# Allegro board IMX7D EVK BOARD REV D_160314.brd (continued)
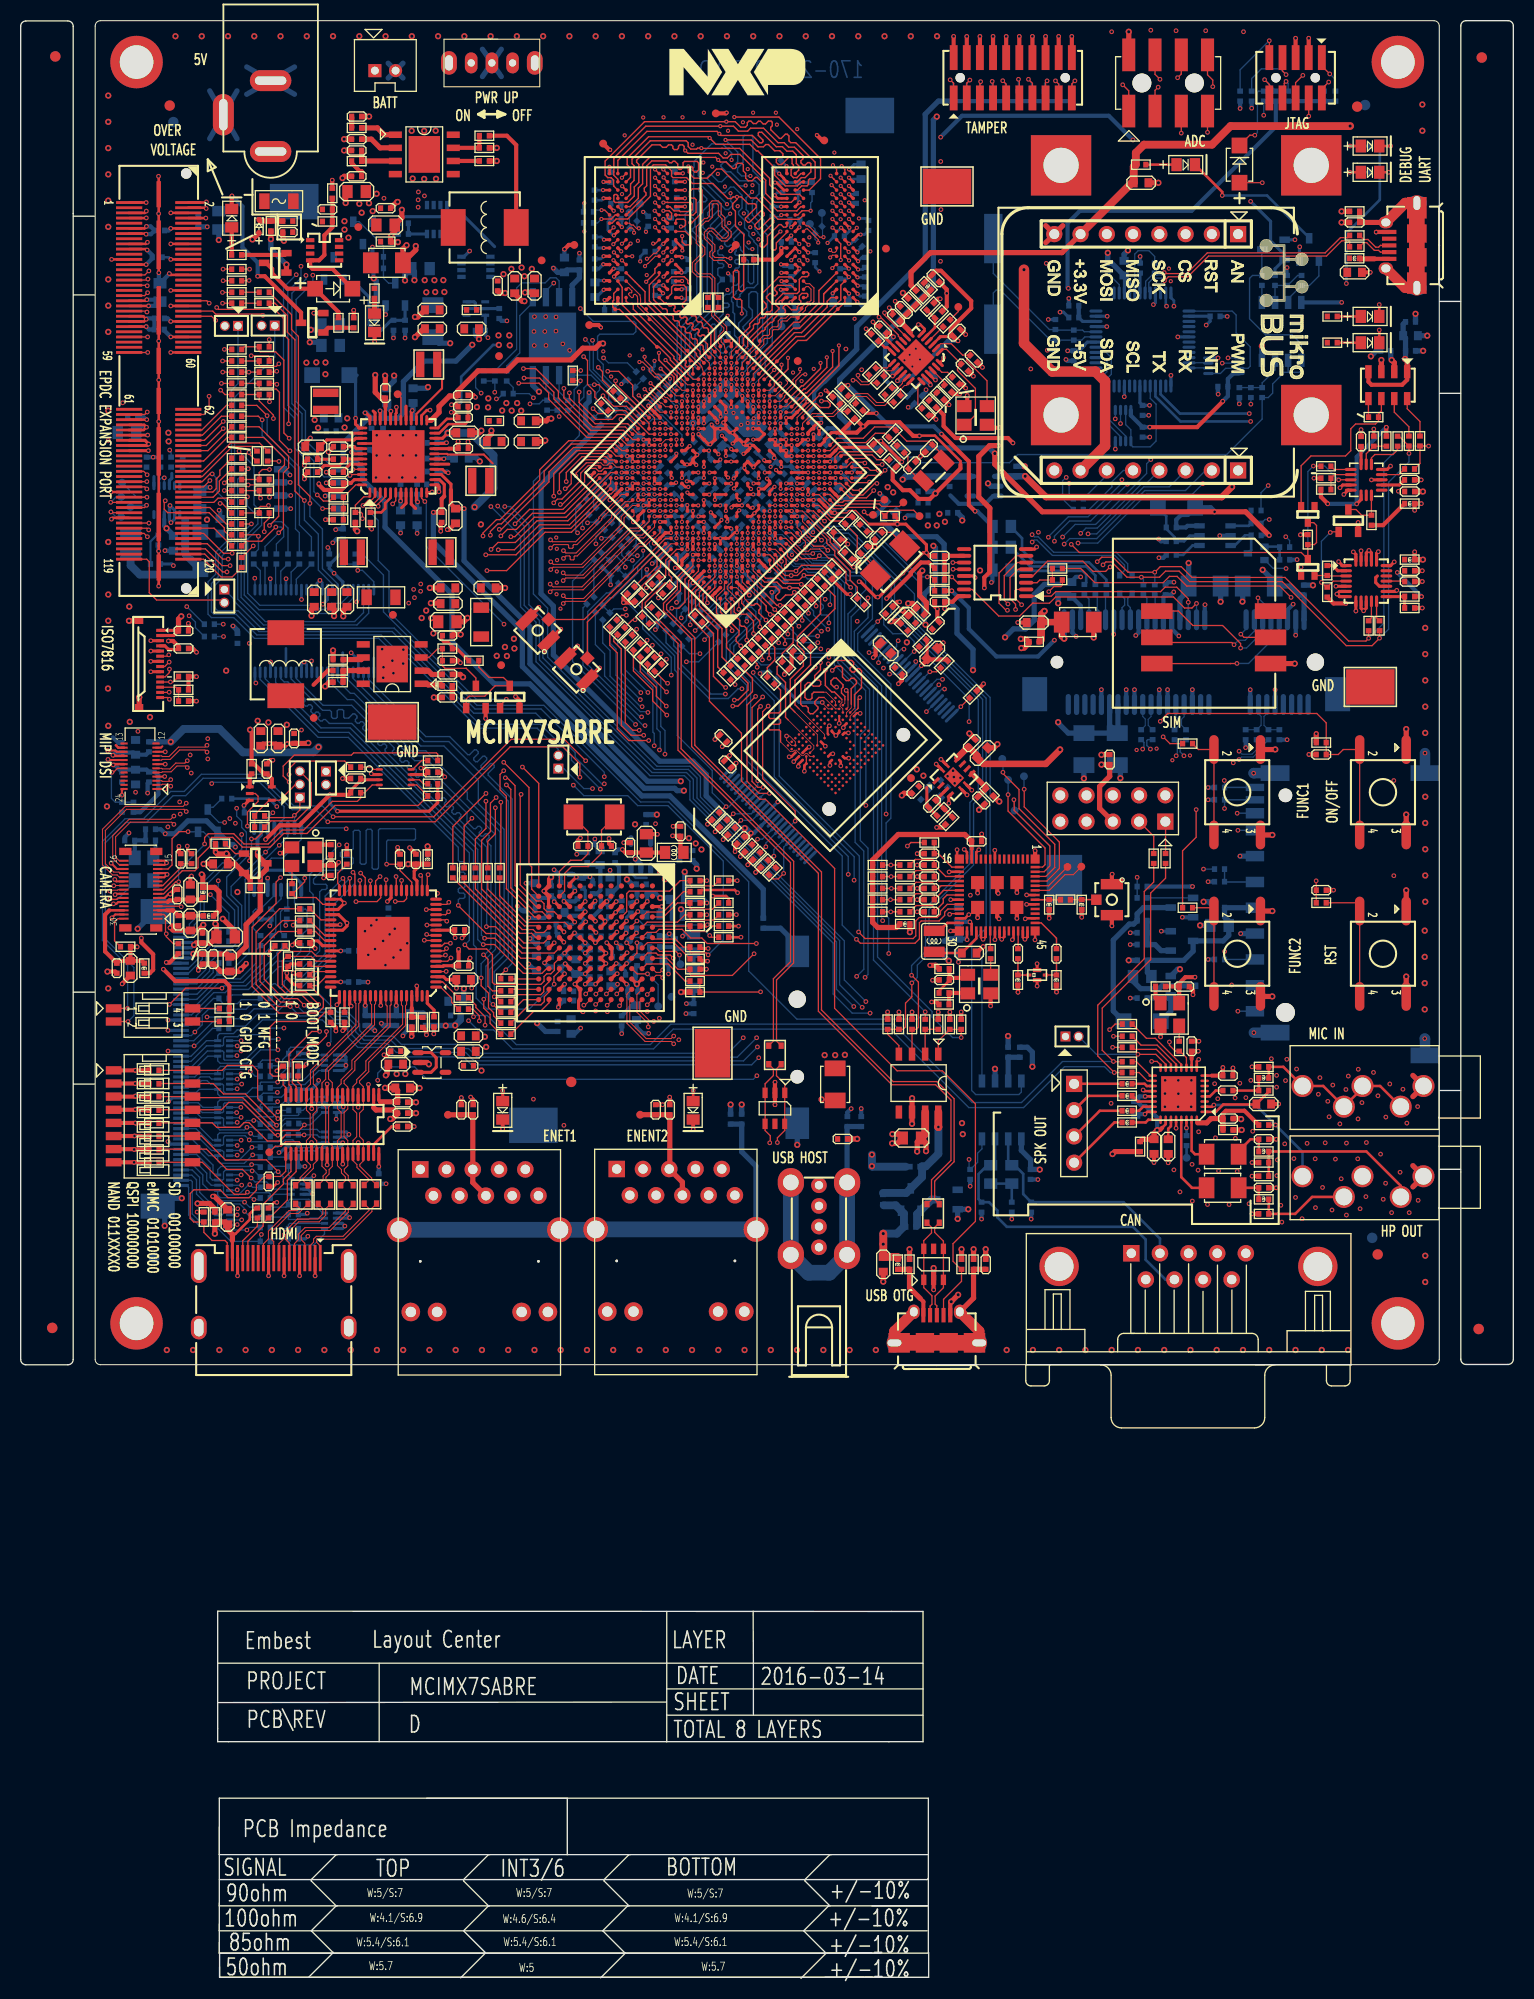
[diagram p0: board, top side]
## Nets (continued)
GPIO_EPDC_D3: R391.1 R394.1 U7.N21(EPDC_D03)
GPIO_EPDC_D4: C366.1 R396.1 TP10.1(PIN1) U7.N22(EPDC_D04)
GPIO_EPDC_D5: R299.1 R397.1 U7.M20(EPDC_D05)
GPIO_EPDC_D6: R300.1 R399.1 U7.M21(EPDC_D06)
GPIO_EPDC_D7: R398.1 U7.M22(EPDC_D07)
GPIO_EPDC_D8: R420.1 R424.1 U7.M23(EPDC_D08)
GPIO_EPDC_D9: R421.1 R425.1 U7.L25(EPDC_D09)
GPIO_EPDC_D10: R423.1 R427.1 U7.L24(EPDC_D10)
GPIO_EPDC_D11: R422.1 R426.1 U7.L23(EPDC_D11)
GPIO_EPDC_D12: R428.1 R432.1 U7.L22(EPDC_D12)
GPIO_EPDC_D13: R429.1 R433.1 U7.L21(EPDC_D13)
GPIO_EPDC_D14: R431.1 R435.1 U7.L20(EPDC_D14)
GPIO_EPDC_D15: R430.1 R434.1 U7.K25(EPDC_D15)
GPIO_EPDC_GDCLK: R408.1 U7.J25(EPDC_GDCLK) U36.43(1A3)
GPIO_EPDC_GDOE: R409.1 U7.J24(EPDC_GDOE) U36.44(1A2)
GPIO_EPDC_GDRL: R411.1 U7.K21(EPDC_GDRL) U36.46(1A1)
GPIO_EPDC_GDSP: R410.1 U7.H25(EPDC_GDSP) U36.47(1A0)
GPIO_EPDC_PMIC_PG: R583.1 U7.K20(EPDC_PWRSTAT)
GPIO_EPDC_PWRCTRL0: R582.1 U7.H24(EPDC_PWRCOM)
GPIO_EPDC_SDCE0: R345.1 R404.1 U7.G25(EPDC_SDCE0)
GPIO_EPDC_SDCE1: R346.1 R405.1 U7.G24(EPDC_SDCE1)
GPIO_EPDC_SDCE2: R407.1 U7.H23(EPDC_SDCE2) U36.40(1A5)
GPIO_EPDC_SDCE3: R406.1 U7.H22(EPDC_SDCE3) U36.41(1A4)
GPIO_EPDC_SDCLK: R400.1 R461.1 U7.J21(EPDC_SDCLK)
GPIO_EPDC_SDLE: R401.1 R460.1 U7.J20(EPDC_SDLE)
GPIO_EPDC_SDOE: R403.1 R463.1 U7.H21(EPDC_SDOE)
GPIO_EPDC_SDSHR: R402.1 R462.1 U7.H20(EPDC_SDSHR)
GPIO_SAI1_RXD: J39.1(E1) R468.1 R473.1 U7.E12(SAI1_RXD)
GPIO_SAI1_TXC: J38.1(E1) R469.1 R474.1 U7.C11(SAI1_TXC)
GPIO_SAI1_TXD: J36.1(E1) R471.1 R475.1 U7.E11(SAI1_TXD)
GPIO_SAI1_TXFS: J37.1(E1) R342.1 R470.1 U7.D11(SAI1_TXFS)
GPIO_SAI2_RXD: R415.1 R419.1 U7.E9(SAI2_RXD)
GPIO_SAI2_TXC: R413.1 R417.1 U7.D8(SAI2_TXC)
GPIO_SAI2_TXD: R488.1 U7.E8(SAI2_TXD)
GPIO_SAI2_TXFS: R412.1 R416.1 U7.D9(SAI2_TXFS)
GPIO_SD3_CLK: R444.1 R456.1 U7.C1(SD3_CLK)
GPIO_SD3_CMD: R445.1 R457.1 U7.E1(SD3_CMD)
GPIO_SD3_DATA0: R436.1 R448.1 U7.B2(SD3_DATA0)
GPIO_SD3_DATA1: R437.1 R449.1 U7.A2(SD3_DATA1)
GPIO_SD3_DATA2: R439.1 R451.1 U7.G2(SD3_DATA2)
GPIO_SD3_DATA3: R438.1 R450.1 U7.F1(SD3_DATA3)
GPIO_SD3_DATA4: R440.1 R452.1 U7.F2(SD3_DATA4)
GPIO_SD3_DATA5: R441.1 R453.1 U7.E2(SD3_DATA5)
GPIO_SD3_DATA6: R443.1 R455.1 U7.C2(SD3_DATA6)
GPIO_SD3_DATA7: R442.1 R454.1 U7.B1(SD3_DATA7)
GPIO_SD3_RESET_B: R446.1 R458.1 U7.G1(S\D\3\_\R\E\S\E\T\)
GPIO_SD3_STROBE: R447.1 R459.1 U7.J1(SD3_STROBE)
GTXCLK_P0: R527.2 U31.M1(GTXCLK_P0)
GWDOG_RST_B: C382.1 U7.N1(GPIO1_IO00)
GY_INT_B: D14.2(NODE2) R301.1 U20.3(INT1)
GYR_I2C_SCL: R499.2 U20.11(SCL/SCLK)
GYR_I2C_SDA: R500.2 U20.12(SDA/MOSI)
GYRO_3V3: C246.1 L20.2 R175.1 R331.2 U20.15(VDD) U20.17(SPI_CS_B) U20.18(VDDIO)
HDMI_5V: C226.1 C229.2 J9.18 R144.1 R145.1 R147.1 U15.38(5V_OUT)
HDMI_AVCC12: C222.1 C223.1 C224.1 L13.1 U13.60(AVCC12#60) U13.66(AVCC12#66)
HDMI_BYP: C230.2 U15.37(ESD_BYP)
HDMI_CEC_D_R: R132.2 U13.50(CEC_D)
HDMI_CLKM: L62.2 U13.58(TXC-) U15.15(TMDS_CK-_15) U15.24(TMDS_CK-_24)
HDMI_CLKM_X: J9.12 L62.3
HDMI_CLKP: L62.1 U13.59(TXC+) U15.13(TMDS_CK+_13) U15.26(TMDS_CK+_26)
HDMI_CLKP_X: J9.10 L62.4
HDMI_CVCC12: C209.1 C210.1 C211.1 C212.1 C213.1 C214.1 L11.1 U13.5(CVCC12#5) U13.12(CVCC12#12) U13.26(CVCC12#26) U13.42(CVCC12#42) U13.47(CVCC12#47) U13.53(CVCC12#53)
HDMI_D0M: L61.2 U13.61(TX0-) U15.12(TMDS_D0-_12) U15.27(TMDS_D0-_27)
HDMI_D0M_X: J9.9 L61.3
HDMI_D0P: L61.1 U13.62(TX0+) U15.10(TMDS_D0+_10) U15.29(TMDS_D0+_29)
HDMI_D0P_X: J9.7 L61.4
HDMI_D1M: L60.2 U13.64(TX1-) U15.9(TMDS_D1-_9) U15.30(TMDS_D1-_30)
HDMI_D1M_X: J9.6 L60.3
HDMI_D1P: L60.1 U13.65(TX1+) U15.7(TMDS_D1+_7) U15.32(TMDS_D1+_32)
HDMI_D1P_X: J9.4 L60.4
HDMI_D2M: L59.2 U13.67(TX2-) U15.6(TMDS_D2-_6) U15.33(TMDS_D2-_33)
HDMI_D2M_X: J9.3 L59.3
HDMI_D2P: L59.1 U13.68(TX2+) U15.4(TMDS_D2+_4) U15.35(TMDS_D2+_35)
HDMI_D2P_X: J9.1 L59.4
HDMI_DE: R177.2 U13.33(DE)
HDMI_EXTSWING: R133.1 U13.56(EXT_SWING)
HDMI_HPD_CON: C365.2 J9.19 R146.1 U15.20(HOTPLUG_DET_OUT)
HDMI_HPLG: R135.1 R142.2 U13.54(HPD) U15.19(HOTPLUG_DET_IN)
HDMI_HSYNC: R178.2 U13.34(HSYNC)
HDMI_I2C_SCL: R514.2 U13.1(CSCL)
HDMI_I2C_SDA: R507.2 U13.2(CSDA)
HDMI_I2CSCL: R580.2 U13.49(DSCL) U15.17(DDC_CLK_IN)
HDMI_I2CSDA: R581.2 U13.48(DSDA) U15.18(DDC_DAT_IN)
HDMI_INT_B: R139.1 R429.2 U13.52(INT)
HDMI_IO_SEL: R134.1 R136.2 U13.69(IO_SEL)
HDMI_IOVCC: C216.1 C217.1 C218.1 L12.1 U13.3(IOVCC#3) U13.21(IOVCC#21) U13.46(IOVCC#46)
HDMI_PCLK: C406.2 R137.2 U13.22(IDCK)
HDMI_RST_B: R138.2 U13.51(RESETN) U38.2(Q2)
HDMI_SAI3_MCLK: R111.2 R476.2 U13.38(MCLK)
HDMI_SAI3_TXC: R481.2 U13.45(SCK)
HDMI_SAI3_TXD: R482.2 U13.41(SD0)
HDMI_SAI3_TXFS: R484.2 U13.44(WS)
HDMI_V12: C215.1 C221.1 C225.1 L11.2 L13.2 U14.5(OUT)
HDMI_VSYNC: R179.2 U13.35(VSYNC)
HP_DETEC: J15.5 R366.1 U24.2(LINPUT3/JD2)
HP_L: C274.1 U24.31(HP_L)
HP_R: C275.1 U24.29(HP_R)
HPOUTL: C274.2 C369.1 L25.1
HPOUTR: C275.2 C370.1 L26.1
HSIC_DATA: J4.1(CENTER) U7.A12(USB_H_DATA)
HSIC_STROBE: J5.1(CENTER) U7.B12(USB_H_STROBE)
I2C1_SCL: R59.2 U4.46(SCL) U7.J2(I2C1_SCL) U41.6(SCL)
I2C1_SDA: R60.2 U4.45(SDA) U7.K1(I2C1_SDA) U41.5(SDA)
I2C2_SCL: R61.2 R499.1 R501.1 R505.1 R506.1 U7.K2(I2C2_SCL)
I2C2_SDA: R62.2 R500.1 R502.1 R503.1 R504.1 U7.K3(I2C2_SDA)
I2C3_SCL: R63.2 R508.1 R512.1 R514.1 R524.1 U7.K5(I2C3_SCL)
I2C3_SDA: R64.2 R507.1 R509.1 R510.1 R523.1 U7.K6(I2C3_SDA)
I2C4_SCL: R33.2 R337.1 R515.1 R516.1 R518.1 R595.1 U7.C12(SAI1_RXFS)
I2C4_SDA: R34.2 R338.1 R519.1 R520.1 R521.1 R596.1 U7.D12(SAI1_RXC)
IC_VSEL: J18.12(IC_VSEL) R489.2 R490.1
IOX_SDI: U7.R2(GPIO1_IO09) U38.14(DS)
IOX_SHCP: U7.T3(GPIO1_IO13) U38.11(SHCP)
IOX_STCP: U7.T2(GPIO1_IO12) U38.12(STCP)
IPOD_RST_B: J20.8 R496.1
JT_PWR: J12.1(VCC) R171.1
JTAG_MOD: R174.1 R387.2 U7.U1(JTAG_MOD)
JTAG_TCK: J12.4(TCK) U7.U5(JTAG_TCK)
JTAG_TDI: J12.8(NC/TDI) R169.2 U7.U3(JTAG_TDI)
JTAG_TDO: J12.6(TDO) U7.U6(JTAG_TDO)
JTAG_TMS: J12.2(TMS) R170.2 U7.U4(JTAG_TMS)
JTAG_TRST_B: R172.2 U7.U2(J\T\A\G\_\T\R\S\T\)
LCD1_CLK: J14.32(CLK) R137.1 R176.2
LCD1_DATA0: J14.1(B0) R196.2 RN13.1 U7.D21(LCD1_DATA00)
LCD1_DATA1: J14.2(B1) R195.2 RN13.3 U7.A22(LCD1_DATA01)
LCD1_DATA2: J14.3(B2) R199.2 RN13.5 U7.B22(LCD1_DATA02)
LCD1_DATA3: J14.4(B3) R197.2 RN13.7 U7.A23(LCD1_DATA03)
LCD1_DATA4: J14.5(B4) R204.2 RN15.1 U7.C22(LCD1_DATA04)
LCD1_DATA5: J14.6(B5) R203.2 RN15.3 U7.B23(LCD1_DATA05)
LCD1_DATA6: J14.7(B6) R206.2 RN15.5 U7.A24(LCD1_DATA06)
LCD1_DATA7: J14.8(B7) R205.2 RN15.7 U7.F20(LCD1_DATA07)
LCD1_DATA8: J14.10(G0) R208.2 RN14.1 U7.E21(LCD1_DATA08)
LCD1_DATA9: J14.11(G1) R207.2 RN14.3 U7.C23(LCD1_DATA09)
LCD1_DATA10: J14.12(G2) R210.2 RN14.5 U7.B24(LCD1_DATA10)
LCD1_DATA11: J14.13(G3) R209.2 RN14.7 U7.G20(LCD1_DATA11)
LCD1_DATA12: J14.14(G4) R211.2 RN16.1 U7.F21(LCD1_DATA12)
LCD1_DATA13: J14.15(G5) R213.2 RN16.3 U7.E22(LCD1_DATA13)
LCD1_DATA14: J14.16(G6) R212.2 RN16.5 U7.D23(LCD1_DATA14)
LCD1_DATA15: J14.17(G7) R214.2 RN16.7 U7.C24(LCD1_DATA15)
LCD1_DATA16: J14.19(R0) R215.2 RN17.1 U7.B25(LCD1_DATA16)
LCD1_DATA17: J14.20(R1) R217.2 RN17.3 U7.G21(LCD1_DATA17)
LCD1_DATA18: J14.21(R2) R216.2 RN17.5 U7.E23(LCD1_DATA18)
LCD1_DATA19: J14.22(R3) R218.2 RN17.7 U7.D24(LCD1_DATA19)
LCD1_DATA20: J14.23(R4) RN18.1 U7.C25(LCD1_DATA20)
LCD1_DATA21: J14.24(R5) RN18.3 U7.E24(LCD1_DATA21)
LCD1_DATA22: J14.25(R6) RN18.5 U7.D25(LCD1_DATA22)
LCD1_DATA23: J14.26(R7) RN18.7 U7.G23(LCD1_DATA23)
LCD1_ENABLE: J14.28(DEN) R177.1 U7.F25(LCD1_ENABLE)
LCD1_HSYNC: J14.29(HSYNC) R178.1 U7.E25(LCD1_HSYNC)
LCD1_PWM: J14.50(PWREN) U7.N2(GPIO1_IO01)
LCD1_RESET: J14.49(RESET) U7.C21(LCD1_RESET)
LCD1_TP_REF: C266.1 U23.9(VREF)
LCD1_VSYNC: J14.30(VSYNC) R179.1 U7.F24(LCD1_VSYNC)
LCD_3V3: C263.1 C264.1 C265.1 J14.45(VDD1) J14.46(VDD2) Q13.3(DRAIN) R355.1 U23.1(VCC) U23.7(VBAT) U23.10(IOVDD)
LCD_B0: RN13.2 U13.32(VDATA_IN0)
LCD_B1: RN13.4 U13.31(VDATA_IN1)
LCD_B2: RN13.6 U13.30(VDATA_IN2)
LCD_B3: RN13.8 U13.29(VDATA_IN3)
LCD_B4: RN15.2 U13.28(VDATA_IN4)
LCD_B5: RN15.4 U13.27(VDATA_IN5)
LCD_B6: RN15.6 U13.25(VDATA_IN6)
LCD_B7: RN15.8 U13.24(VDATA_IN7)
LCD_G0: RN14.2 U13.23(VDATA_IN8)
LCD_G1: RN14.4 U13.20(VDATA_IN9)
LCD_G2: RN14.6 U13.19(VDATA_IN10)
LCD_G3: RN14.8 U13.18(VDATA_IN11)
LCD_G4: RN16.2 U13.17(VDATA_IN12)
LCD_G5: RN16.4 U13.16(VDATA_IN13)
LCD_G6: RN16.6 U13.15(VDATA_IN14)
LCD_G7: RN16.8 U13.14(VDATA_IN15)
LCD_I2C_SCL: J14.42(IIC_CLK) R508.2
LCD_I2C_SDA: J14.43(IIC_DAT) R509.2
LCD_PWR_EN: Q13.1(GATE) R354.2 U38.7(Q7)
LCD_R0: RN17.2 U13.13(VDATA_IN16)
LCD_R1: RN17.4 U13.11(VDATA_IN17)
LCD_R2: RN17.6 U13.10(VDATA_IN18)
LCD_R3: RN17.8 U13.9(VDATA_IN19)
LCD_R4: RN18.2 U13.8(VDATA_IN20)
LCD_R5: RN18.4 U13.7(VDATA_IN21)
LCD_R6: RN18.6 U13.6(VDATA_IN22)
LCD_R7: RN18.8 U13.4(VDATA_IN23)
LD_WLAN_B: D6.2(CATHODE) R128.2
LD_WPAN_B: D7.2(CATHODE) R129.2
LD_WWAN_B: D5.2(CATHODE) R127.2
LDO_VDD1P5: C235.1 L18.2 U16.33(LDO_VDD1P5)
LED_WLAN_B: J8.44(LED_WLAN#) R128.1
LED_WPAN_B: J8.46(LED_WPAN#) R129.1
LED_WWAN_B: J8.42(LED_WWAN#) R127.1
LEDA: C454.1 C455.1 D25.2(C) J30.13(LEDA1) J30.14(LEDA2) R624.2
LEDK: J30.11(LEDK1) J30.12(LEDK2) R626.2 U43.10(FB)
LICELL: C30.1 R19.2 U4.36(LICELL)
LOCK_REC_CLK1: R278.1 TP34.1(PIN1) U31.C7(LOCK_REC_CLK1)
LPO: R492.1 U16.36(LPO)
MAIN_PWR: C13.1 C14.1 C16.1 L2.2 Q34.5(D1) Q34.6(D2) Q34.7(D3) Q34.8(D4) Q35.1(E1) R14.1 R613.1 TP3.1(PIN1)
MAIN_PWR_EN: C396.1 Q10.1(GATE) Q31.1(GATE) R543.2 R547.1
MAIN_PWR_EN_B: Q21.1(GATE) Q31.3(DRAIN) R611.1 R612.2
MEM_3V3: C181.1 C182.1 C183.1 C189.1 C190.1 C192.1 C193.1 C194.1 C374.1 C377.1 Q6.2(SOURCE) R92.1 R97.1 R98.1 R102.2 R104.1 R105.1 R323.1 R333.1 R334.1 R335.1 R336.1 R340.2 R479.2 TP49.1(PIN1) U10.E6(VCC#E6) U10.F5(VCC#F5) U10.J10(VCC#J10) U10.K9(VCC#K9) U11.8(VCC) U12.12(VCC#12) U12.37(VCC#37) U35.1(OUT)
MEM_3V3_EN: C379.1 R327.2 U35.5(EN)
MEM_3V3_FB: C377.2 R323.2 R324.1 U35.3(NR/FB)
MFI_I2C_SCL: J20.1 R518.2
MFI_I2C_SDA: J20.3 R519.2
MIC: C277.2 L29.1 R182.2
MIC_IN: C277.1 U24.4(LINPUT1)
MIC_RAW: J16.2 J16.3 J16.4 J16.5 L29.2 TVS4.2(A2)
MICBIAS: C272.1 R182.1 U24.1(MICBIAS)
MIPI_CSI_CLK_N: J29.20(MCN) U7.A15(MIPI_CSI_CLK_N)
MIPI_CSI_CLK_P: J29.19(MCP) U7.B15(MIPI_CSI_CLK_P)
MIPI_CSI_D0_N: J29.23(MDN1) U7.A16(MIPI_CSI_D0_N)
MIPI_CSI_D0_P: J29.22(MDP1) U7.B16(MIPI_CSI_D0_P)
MIPI_CSI_D1_N: J29.17(MDN2) U7.A14(MIPI_CSI_D1_N)
MIPI_CSI_D1_P: J29.16(MDP2) U7.B14(MIPI_CSI_D1_P)
MIPI_DSI_CLK_N: J30.5(CN) U7.A19(MIPI_DSI_CLK_N)
MIPI_DSI_CLK_P: J30.6(CP) U7.B19(MIPI_DSI_CLK_P)
MIPI_DSI_D0_N: J30.2(D0N) U7.A20(MIPI_DSI_D0_N)
MIPI_DSI_D0_P: J30.3(D0P) U7.B20(MIPI_DSI_D0_P)
MIPI_DSI_D1_N: J30.8(D1N) U7.A18(MIPI_DSI_D1_N)
MIPI_DSI_D1_P: J30.9(D1P) U7.B18(MIPI_DSI_D1_P)
MIPI_VREG_0P4V: C92.1 U7.H18(MIPI_VREG_0P4V)
MK_ADC_IN0: R549.1 R550.2 R557.1 U40.3(+INA)
MKBUS_ADC1_IN0: D22.3 R554.2 R557.2 U7.AD1(ADC1_IN0) U40.1(OUTA) U40.2(-INA)
MKBUS_ADC_IN: J32.1 R550.1
MKBUS_ESPI3_MISO: J32.5 R412.2
MKBUS_ESPI3_MOSI: J32.6 R413.2
MKBUS_ESPI3_SCLK: J32.4 R415.2
MKBUS_ESPI3_SS0_B: J32.3 R488.2
MKBUS_I2C_SCL: J33.5 R524.2
MKBUS_I2C_SDA: J33.6 R523.2
MKBUS_INT: J33.2 R470.2
MKBUS_PWM2: J33.1 TP12.1(PIN1) U7.N3(GPIO1_IO02)
MKBUS_RST: J32.2 R497.1
MKBUS_UART5_RXD: J33.3 R468.2
MKBUS_UART5_TXD: J33.4 R469.2
MPCIE_1V5: C205.1 C206.1 J8.6(1.5 V#6) J8.28(1.5 V#28) J8.48(1.5 V#48) R119.2
MPCIE_3V3: C198.1 C199.1 C200.1 C201.1 C202.1 C203.1 C204.1 D5.1(ANODE) D6.1(ANODE) D7.1(ANODE) J8.2(3.3VAUX#2) J8.24(3.3VAUX#24) J8.39(3.3VAUX#39) J8.41(3.3VAUX#41) J8.52(3.3VAUX#52) R120.1 R605.2 R607.2
MX7_ONOFF: C367.1 R249.2 S2.2 S2.4 U7.AC8(ONOFF)
MX7_RST_B: C368.1 D15.2(NODE2) R347.2
NAND_ALE: R457.2 U12.17(ALE)
NAND_CE0_B: R334.2 R474.2 U12.9(CE_B)
NAND_CE1_B: R333.2 R473.2 U12.10(CE1_B)
NAND_CE2_B: R335.2 R337.2 U12.14(NC7)
NAND_CE3_B: R336.2 R338.2 U12.15(NC8)
NAND_CLE: R456.2 U12.16(CLE)
NAND_D0: R448.2 U12.29(DQ0)
NAND_D1: R449.2 U12.30(DQ1)
NAND_D2: R451.2 U12.31(DQ2)
NAND_D3: R450.2 U12.32(DQ3)
NAND_D4: R452.2 U12.41(DQ4)
NAND_D5: R453.2 U12.42(DQ5)
NAND_D6: R455.2 U12.43(DQ6)
NAND_D7: R454.2 U12.44(DQ7)
NAND_DQS: R342.2 U12.35(DQS/N/A)
NAND_RE_B: R459.2 U12.8(W/R_B/RE_B)
NAND_READY_B: R98.2 R339.1 R475.2 U12.7(R/B_B)
NAND_WE_B: R458.2 U12.18(CLK/WE_B)
NAND_WP_B: R97.2 R112.2 U12.19(WP_B)
NVCC_1V8: C124.1 C254.1 J13.1 J13.17 J13.19 J13.25 L15.1 R27.1 R326.1 R329.2 U7.L9(NVCC_SPI)
NVCC_3V3: C48.1 C101.1 C109.1 C112.1 C113.1 C114.1 C117.1 C118.1 C122.1 C127.1 C219.1 C220.1 C231.1 C241.1 C245.1 C255.1 C256.1 C385.1 C388.1 C389.1 C405.1 C408.1 C460.1 J13.5 J13.45 J13.47 J13.49 L12.2 Q25.1(GATE) R33.1 R34.1 R46.2 R59.1 R60.1 R61.1 R62.1 R63.1 R64.1 R132.1 R134.2 R139.2 R142.1 R143.1 R183.1 R184.1 R185.1 R186.1 R187.1 R188.1 R189.1 R190.1 R191.1 R192.1 R193.1 R194.1 R252.1 R253.1 R255.2 R257.2 R313.1 R314.1 R315.1 R316.1 R317.1 R318.1 R319.1 R320.1 R327.1 R353.2 R472.1 R477.1 R580.1 R581.1 R637.1 SW2.1 SW2.2 SW2.3 SW2.4 SW2.5 SW2.6 SW2.7 SW2.8 U4.32(V33) U4.47(VDDIO) U7.F9(VDD_USB_OTG2_3P3_IN) U7.F10(VDD_USB_OTG1_3P3_IN) U7.F12(NVCC_SAI) U7.H16(NVCC_ENET1) U7.K18(NVCC_LCD) U7.L17(NVCC_EPDC2) U7.M8(NVCC_I2C) U7.M18(NVCC_EPDC1) U7.N9(NVCC_UART) U14.1(IN) U14.3(EN) U15.2(LV_SUPPLY) U17.8(VCC) U19.8(VCC) U38.16(VCC) U41.8(VCC) U45.7(VCCB) X2.4(VCC) X3.4(VCC)
NVCC_DRAM: C24.1 C142.1 C143.1 C144.1 C145.1 C146.1 C147.1 C148.1 C149.1 C150.1 C151.1 C152.1 C153.1 C154.1 C155.1 C156.1 C157.1 C158.1 C159.1 C160.1 C161.1 C162.1 C163.1 C164.1 C165.1 C166.1 C167.1 C168.1 C169.1 C170.1 C171.1 C172.1 C173.1 C174.1 C175.1 C176.1 C177.1 C178.1 C179.1 C180.1 R23.1 R85.2 TP19.1(PIN1) TP20.1(PIN1) U4.24(VINREFDDR) U7.AA16(NVCC_DRAM_06) U7.AA17(NVCC_DRAM_07) U7.AA18(NVCC_DRAM_08) U7.AA19(NVCC_DRAM_09) U7.AA20(NVCC_DRAM_10) U7.AA21(NVCC_DRAM_11) U7.T21(NVCC_DRAM_01) U7.U21(NVCC_DRAM_02) U7.V21(NVCC_DRAM_03) U7.W21(NVCC_DRAM_04) U7.Y21(NVCC_DRAM_05) U8.A1(VDDQ1) U8.A8(VDDQ2) U8.B2(VDD1) U8.C1(VDDQ3) U8.C9(VDDQ4) U8.D2(VDDQ5) U8.D9(VDD2) U8.E9(VDDQ6) U8.F1(VDDQ7) U8.G7(VDD3) U8.H2(VDDQ8) U8.H9(VDDQ9) U8.K2(VDD4) U8.K8(VDD5) U8.N1(VDD6) U8.N9(VDD7) U8.R1(VDD8) U8.R9(VDD9) U9.A1(VDDQ1) U9.A8(VDDQ2) U9.B2(VDD1) U9.C1(VDDQ3) U9.C9(VDDQ4) U9.D2(VDDQ5) U9.D9(VDD2) U9.E9(VDDQ6) U9.F1(VDDQ7) U9.G7(VDD3) U9.H2(VDDQ8) U9.H9(VDDQ9) U9.K2(VDD4) U9.K8(VDD5) U9.N1(VDD6) U9.N9(VDD7) U9.R1(VDD8) U9.R9(VDD9)
NVCC_DRAM_CKE: C140.1 R85.1 U7.Y20(NVCC_DRAM_CKE)
NVCC_SD1: C49.1 C104.1 R99.1 R100.1 R101.1 R491.2 U4.33(VCC_SD) U7.E7(NVCC_SD1)
NVCC_SD2: C108.1 R325.1 U7.H8(NVCC_SD2)
NVCC_SD3: C110.1 C184.1 C185.1 C186.1 C187.1 C188.1 R45.1 R46.1 R93.1 R94.1 U7.K8(NVCC_SD3) U10.C6(VCCQ#C6) U10.M4(VCCQ#M4) U10.N4(VCCQ#N4) U10.P3(VCCQ#P3) U10.P5(VCCQ#P5)
OTG_VBUS: C298.1 L39.2 Q24.2(SOURCE) R570.1 R571.1
OUT3: C276.1 U24.30(OUT3)
OVRPRTC: Q5.1(GATE) R6.2 R8.1
OVRPRTC_LED: D2.2(CATHODE) Q5.3(DRAIN)
OVRPRTC_LED_PWR: D2.1(ANODE) R4.2
PCI3_UIM_CLK: J7.3(SIMCLK) J8.12(UIM_CLK)
PCIE_CLK_GEN_SCL: R595.2 U42.8(SCLK_3.3)
PCIE_CLK_GEN_SDA: R596.2 U42.9(SDATA_3.3)
PCIE_CRXP: J8.25(PERP0) R125.2
PCIE_CTXM: C207.2 J8.31(PETN0)
PCIE_CTXP: C208.2 J8.33(PETP0)
PCIE_DIS_B: J8.20(W_DISABLE#) U38.15(Q0)
PCIE_REFCLK_N: R607.1 R608.2 R633.1 U7.AE10(PCIE_REFCLKIN_N)
PCIE_REFCLK_P: R605.1 R606.2 R632.1 U7.AD10(PCIE_REFCLKIN_P)
PCIE_REFCLKOUT_N: C459.1 R598.2 U7.AC10(PCIE_REFCLKOUT_N)
PCIE_REFCLKOUT_N0: C459.2 J8.11(REFCLK-) R634.1
PCIE_REFCLKOUT_P: C458.1 R597.2 U7.AB10(PCIE_REFCLKOUT_P)
PCIE_REFCLKOUT_P0: C458.2 J8.13(REFCLK+) R635.1
PCIE_RST_B: J8.22(PERST#) U38.1(Q1)
PCIE_RX_N: R124.1 U7.AE11(PCIE_RX_N)
PCIE_RX_P: R125.1 U7.AD11(PCIE_RX_P)
PCIE_SMB_CLK: J8.30(SMB_CLK) R506.2
PCIE_SMB_DATA: J8.32(SMB_DATA) R504.2
PCIE_TX_N: C207.1 U7.AC11(PCIE_TX_N)
PCIE_TX_P: C208.1 U7.AB11(PCIE_TX_P)
PCIE_UIM_DATA: J7.6(SIMI/O) J8.10(UIM_DATA)
PCIE_UIM_PWR: J7.1(SIMVDD) J8.8(UIM_PWR)
PCIE_UIM_RST: J7.2(SIMRST) J8.14(UIM_RESET)
PCIE_UIM_VPP: J7.5(VPP) J8.16(UIM_VPP)
PCIE_USB_DM: J8.36(USB_D-) L10.1
PCIE_USB_DP: J8.38(USB_D+) L10.2
PERI_3V3: C7.1 C8.1 C9.1 C267.1 C268.1 C278.1 C280.1 C284.1 C316.1 C380.1 C381.1 C386.1 C390.1 C404.1 J18.4(NVCC_SIM) J20.5 J32.7 L1.2 L20.1 L21.1 L22.1 L43.2 L66.1 Q13.2(SOURCE) R10.1 R120.2 R244.1 R312.1 R332.1 R351.1 R354.1 R355.2 R365.1 R489.1 R498.1 R548.1 R556.1 R610.2 TP2.1(PIN1) U24.8(DCVDD) U24.10(DBVDD) U25.5(VIO) U36.1(1DIR) U36.7(VCCB#7) U36.18(VCCB#18) U36.31(VCCA#31) U36.42(VCCA#42) U39.5(VCC) U40.8(V+)
PERI_3V3_CP: R12.1 U2.1(COMP)
PERI_3V3_FB: R10.2 R13.1 U2.7(FB)
PERI_3V3_LX: L1.1 U2.5(LX)
PERI_3V3_RT: R15.1 U2.6(RT)
PERI_3V3_SS: C15.1 U2.2(SS)
PERI_EN: C6.1 Q29.3(DRAIN) R9.2 U2.3(EN)
PERI_RST_B: R496.2 R497.2 U38.3(Q3)
PLLVDD_ENET: C323.1 C324.1 L45.2 U31.D9(PLLVDD)
PMIC_5V: C56.1 C57.1 D3.2(C) Q10.2(SOURCE) U4.37(SWBSTFB)
PMIC_INT_B: R27.2 U4.1(INTB) U7.H6(ECSPI2_MISO)
PMIC_ON_REQ: R281.2 U7.AB8(SNVS_PMIC_ON_REQ)
PMIC_ON_REQ_R: R280.2 R281.1 R307.1 U4.48(PWRON)
PMIC_PWR: C20.1 C21.1 C36.1 C37.1 C42.1 C43.1 C46.1 C47.1 C50.1 C51.1 C52.1 C53.1 C58.1 C257.1 C258.1 C259.1 C260.1 C375.1 C376.1 C378.1 C438.1 C439.1 J13.11 J13.13 J13.39 J13.41 J13.65 J13.67 J13.69 J13.71 L6.2 L14.1 Q32.1(S1) Q32.2(S2) Q32.3(S3) Q34.1(S1) Q34.2(S2) Q34.3(S3) Q35.4(E2) U4.7(SW1AIN) U4.10(SW1BIN) U4.13(VLDO1IN) U4.18(SW2IN) U4.21(VLDO34IN) U4.28(SW3IN) U4.38(VIN2) U4.42(VIN) U33.1(IN) U35.8(IN)
PMIC_PWRON: R307.2 R350.2
PMIC_SD_VSEL: U4.2(SD_VSEL) U7.R1(GPIO1_IO08)
PMIC_STBY_REQ: U4.4(STANDBY) U7.AC7(PMIC_STBY_REQ)
PMIC_VCORE: C61.1 U4.41(VCORE)
PMIC_VCOREREF: C60.1 U4.44(VCOREREF)
PMIC_VDDOTP: C62.1 R28.2 R282.1 U4.39(VDDOTP)
PMU_3V3_CP: R16.1 U3.1(COMP)
PMU_3V3_EN: C12.1 R11.2 U3.3(EN)
PMU_3V3_FB: R14.2 R17.1 U3.7(FB)
PMU_3V3_LX: L2.1 U3.5(LX)
PMU_3V3_RT: R18.1 U3.6(RT)
PMU_3V3_SS: C18.1 U3.2(SS)
POR_B: D26.1(A) Q30.1(GATE) R321.2 R352.2 R561.2 U4.3(RESETBMCU) U7.R6(P\O\R\)
PSU_5V0: C1.1 C2.1 C3.1 C4.1 C5.1 C10.1 C11.1 C261.1 C262.1 C387.1 C418.1 C419.1 J13.2 J13.4 J13.7 J13.8 J13.73 J13.75 J13.77 J14.47(VDD3#47) J14.48(VDD3#48) J18.1(VCC_5V#1) J18.2(VCC_5V#2) J33.7 Q2.5(D1) Q2.6(D2) Q2.7(D3) Q2.8(D4) Q21.2(SOURCE) R1.2 R9.1 R11.1 R243.1 R311.1 R543.1 R584.1 R612.1 TP1.1(PIN1) TVS1.2(A2) U2.4(VIN) U3.4(VIN)
PWR_LED: D1.1(ANODE) R1.1
PWR_OV_BASE: Q17.1(BASE) R537.2
PWR_OV_CTL: D17.2(CATHODE) R537.1 R538.2
PWR_OVP_LED: D20.1(A) Q17.3(COLLECTOR) R6.1
QSPIA_DA0: R392.2 U11.5(SI/IO0)
QSPIA_DA1: R393.2 U11.2(SO/IO1)
QSPIA_DA2: R395.2 U11.3(W\P\/IO2)
QSPIA_DA3: R394.2 U11.7(H\O\L\D\/IO3)
QSPIA_SCLK: R299.2 U11.6(SCK)
QSPIA_SS0_B: R92.2 R300.2 U11.1(C\S\)
RDAC: R274.1 U31.E9(RDAC)
REFCLKN: C350.1 U31.K1(REFCLKN) Y8.2
REFCLKP: C349.1 U31.K2(REFCLKP) Y8.1
RGMII1_LED1: J27.11(GRLA) R264.1
RGMII1_LED2: J27.13(YELC) R267.1
RGMII1_LED3: D12.1(ANODE) R266.1
RGMII1_LED_AC: R267.2 U31.B4(LED_P0_3)
RGMII1_LED_LINKSP1: R264.2 R272.1 U31.D4(LED_P0_1)
RGMII1_LED_LINKSP2: R266.2 R277.1 U31.A4(LED_P0_2)
RGMII1_RX_CTL: R533.1 U7.E15(ENET1_RX_CTL)
RGMII1_RXC: R531.1 U7.F15(ENET1_RXC)
RGMII1_RXD0: R529.1 U7.E14(ENET1_RD0)
RGMII1_RXD1: R534.1 U7.F14(ENET1_RD1)
RGMII1_RXD2: R536.1 U7.D13(ENET1_RD2)
RGMII1_RXD3: R535.1 U7.E13(ENET1_RD3)
RGMII1_TX_CTL: R532.1 U7.E16(ENET1_TX_CTL)
RGMII1_TXC: R527.1 U7.F16(ENET1_TXC)
RGMII1_TXD0: R528.1 U7.F17(ENET1_TD0)
RGMII1_TXD1: R526.1 U7.E17(ENET1_TD1)
RGMII1_TXD2: R525.1 U7.E18(ENET1_TD2)
RGMII1_TXD3: R530.1 U7.D18(ENET1_TD3)
RGMII2_LED1: J28.11(GRLA) R269.1
RGMII2_LED2: J28.13(YELC) R270.1
RGMII2_LED3: D13.1(ANODE) R268.1
RGMII2_LED_AC: R270.2 U31.C5(LED_P1_3)
RGMII2_LED_LINKSP1: R269.2 R273.1 U31.A5(LED_P1_1)
RGMII2_LED_LINKSP2: R268.2 R276.1 U31.B5(LED_P1_2)
RGMII2_RX_CTL: U31.M9(RX_DV_P1) U36.17(2B3)
RGMII2_RXC: U31.K7(RXC_P1) U36.16(2B2)
RGMII2_RXD0: U31.M8(RXD_P1_0) U36.23(2B7)
RGMII2_RXD1: U31.K8(RXD_P1_1) U36.22(2B6)
RGMII2_RXD2: U31.K9(RXD_P1_2) U36.20(2B5)
RGMII2_RXD3: U31.L9(RXD_P1_3) U36.19(2B4)
RGMII2_TX_CTL: R343.2 U31.L10(TX_EN_P1)
RGMII2_TXC: R344.2 U31.M10(GTXCLK_P1)
RGMII2_TXD0: R467.2 U31.M11(TXD_P1_0)
RGMII2_TXD1: R466.2 U31.L11(TXD_P1_1)
RGMII2_TXD2: R465.2 U31.L12(TXD_P1_2)
RGMII2_TXD3: R464.2 U31.M12(TXD_P1_3)
RTC_XO: C103.1 R285.2 Y1.2
RTC_XTALI: C102.1 R36.1 U7.AE6(RTC_XTALI) Y1.1
RTC_XTALO: R36.2 R285.1 U7.AD6(RTC_XTALO)
RX_DV_P0: R533.2 U31.M7(RX_DV_P0)
RX_LED1: D8.2(CATHODE) U18.12(ACBUS2)
RX_LED2: D10.2(CATHODE) U18.28(BCBUS2)
RXC_P0: R531.2 U31.J5(RXC_P0)
RXD_P0_0: R529.2 U31.L5(RXD_P0_0)
RXD_P0_1: R534.2 U31.M5(RXD_P0_1)
RXD_P0_2: R536.2 U31.M6(RXD_P0_2)
RXD_P0_3: R535.2 U31.L6(RXD_P0_3)
SAI1_MCLK: R110.1 R112.1 U7.E10(SAI1_MCLK)
SAVDD_ENET: C307.1 C308.1 C309.1 C310.1 C311.1 L42.2 U31.B3(SAVDD1) U31.D3(SAVDD2) U31.E4(SAVDD3) U31.H3(SAVDD4) U31.J2(SAVDD5)
SD1_CD_B: J6.10(C\D\) R101.2 U7.C6(S\D\1\_\C\D\)
SD1_CLK: R40.2 R106.1
SD1_CLK_R: C197.1 J6.5(CLK) R106.2
SD1_CMD: J6.2(CMD) R39.2 R99.2
SD1_DATA0: J6.7(DAT0) R41.2
SD1_DATA1: J6.8(DAT1) R42.2
SD1_DATA2: J6.9(DAT2) R43.2
SD1_DATA3: J6.1(DAT3) R44.2
SD1_RESET_B: R108.1 R491.1 U7.B4(S\D\1\_\R\E\S\E\T\)
SD1_WP: J6.11(W\P\) R100.2 U7.C4(SD1_WP)
SD2_CLK: R151.2 R286.2
SD2_CLK_R: C391.1 R151.1 U16.17(SDIO_CLK)
SD2_CMD: R152.2 R287.2 R375.2
SD2_CMD_R: C397.1 R375.1 U16.19(SDIO_CMD)
SD2_DA0: C401.1 R374.1 U16.20(SDIO_DATA_0)
SD2_DA1: C400.1 R373.1 U16.21(SDIO_DATA_1)
SD2_DA2: C399.1 R372.1 U16.22(SDIO_DATA_2)
SD2_DA3: C398.1 R371.1 U16.23(SDIO_DATA_3)
SD2_DATA0: R156.2 R288.2 R374.2
SD2_DATA1: R155.2 R289.2 R373.2
SD2_DATA2: R154.2 R290.2 R372.2
SD2_DATA3: R153.2 R291.2 R371.2
SD3_CLK: R95.1 R444.2
SD3_CLK_R: R95.2 U10.M6(CLK)
SD3_CMD: R94.2 R445.2 U10.M5(CMD)
SD3_DATA0: R436.2 U10.A3(DAT0)
SD3_DATA1: R437.2 U10.A4(DAT1)
SD3_DATA2: R439.2 U10.A5(DAT2)
SD3_DATA3: R438.2 U10.B2(DAT3)
SD3_DATA4: R440.2 U10.B3(DAT4)
SD3_DATA5: R441.2 U10.B4(DAT5)
SD3_DATA6: R443.2 U10.B5(DAT6)
SD3_DATA7: R442.2 U10.B6(DAT7)
SD3_RESET_B: R93.2 R446.2 U10.K5(R\E\S\E\T\)
SD3_STROBE: R96.1 R447.2
SD3_STROBE_R: R96.2 U10.H5(DS)
SENSOR_INT_B: D14.3(NODE3) D24.3(NODE3) R351.2 R471.2
SENSOR_RST_B: Q16.1(GATE) R175.2 U20.4(RST_B) U38.4(Q4)
SIM1P1_CLK: J18.8(SIM_CLK) R421.2
SIM1P1_IC_INT_B: J18.11(IC_INT_B) R498.2 U7.L2(I2C4_SDA)
SIM1P1_PD: J18.14(SIM_CD_B) R428.2
SIM1P1_RST_B: J18.10(SIM_RST) R423.2
SIM1P1_SVEN: J18.13(SIM_SVEN_B) R422.2
SIM1P1_TXRD: J18.6(SIM_DATA) R420.2
SNVS_TAMPER0: J31.1 R225.2 U7.AA7(SNVS_TAMPER0)
SNVS_TAMPER1: J31.3 R226.2 U7.Y8(SNVS_TAMPER1)
SNVS_TAMPER2: J31.5 R228.2 U7.AB6(SNVS_TAMPER2)
SNVS_TAMPER3: J31.7 R230.2 U7.Y7(SNVS_TAMPER3)
SNVS_TAMPER4: J31.9 R234.2 U7.AA5(SNVS_TAMPER4)
SNVS_TAMPER5: J31.11 R232.2 U7.Y5(SNVS_TAMPER5)
SNVS_TAMPER6: J31.13 R236.2 U7.AA4(SNVS_TAMPER6)
SNVS_TAMPER7: J31.15 R239.2 U7.Y4(SNVS_TAMPER7)
SNVS_TAMPER8: J31.17 R242.2 U7.AA3(SNVS_TAMPER8)
SNVS_TAMPER9: J31.19 R241.2 U7.Y3(SNVS_TAMPER9)
SOC_SD1_CLK: R40.1 U7.B5(SD1_CLK)
SOC_SD1_CMD: R39.1 U7.C5(SD1_CMD)
SOC_SD1_DATA0: R41.1 U7.A5(SD1_DATA0)
SOC_SD1_DATA1: R42.1 U7.D6(SD1_DATA1)
SOC_SD1_DATA2: R43.1 U7.A4(SD1_DATA2)
SOC_SD1_DATA3: R44.1 U7.D5(SD1_DATA3)
SOC_SD2_CLK: R286.1 U7.E3(SD2_CLK)
SOC_SD2_CMD: R287.1 U7.F6(SD2_CMD)
SOC_SD2_DATA0: R288.1 U7.E4(SD2_DATA0)
SOC_SD2_DATA1: R289.1 U7.E5(SD2_DATA1)
SOC_SD2_DATA2: R290.1 U7.F5(SD2_DATA2)
SOC_SD2_DATA3: R291.1 U7.E6(SD2_DATA3)
SPI3_MISO: J14.40(SPI_MISO) R358.2
SPI3_MOSI: J14.39(SPI_MOSI) R357.2
SPI3_SCLK: J14.38(SPI_CLK) R356.2
SPI_SS_B: J14.41(SPI_CS) JP1.3 R360.1
SPKLN: J17.3 L31.2
SPKLP: J17.4 L28.2
SPKOUTLN: L31.1 U24.23(SPK_LN)
SPKOUTLP: L28.1 U24.25(SPK_LP)
SPKOUTRN: L30.1 U24.19(SPK_RN)
SPKOUTRP: L27.1 U24.22(SPK_RP)
SPKRN: J17.1 L30.2
SPKRP: J17.2 L27.2
SPLLVDD_ENET: C413.1 C414.1 L53.2 U31.F3(SPLLVDD)
SR_VLX: L18.1 U16.29(SR_VLX)
SW1A_1V1: C32.1 C34.1 C35.1 L3.1 R20.2
SW1ALX: L3.2 U4.8(SW1ALX)
SW1B_1V0: C33.1 C44.1 C45.1 L5.1 R24.2
SW1BLX: L5.2 U4.9(SW1BLX)
SW2_1V8: C22.1 C41.1 C54.1 C55.1 C129.1 C461.1 D22.2 L7.1 L8.1 L52.1 L57.1 L64.1 L65.1 L68.1 Q36.1(GATE) R30.1 R45.2 R325.2 R326.2 R368.1 R369.1 R553.1 R621.2 R636.1 R638.2 R639.2 R640.2 U4.16(VLDO2IN) U4.19(SW2FB) U33.3(EN) U45.3(VCCA)
SW2LX: L7.2 U4.17(SW2LX)
SW3_1V35: C38.1 C39.1 C40.1 L4.2 R23.2 U4.27(SW3FB)
SW3LX: L4.1 U4.29(SW3LX)
SWBSTLX: D3.1(A) L6.1 U4.35(SWBSTLX)
SYS_5V: C227.1 C228.1 C363.1 Q10.3(DRAIN) Q21.3(DRAIN) R147.2 U15.1(5V_SUPPLY) U30.7(IN)
TD_P0_N0: J27.2(TD1-) U31.G11(TD_P0_N0)
TD_P0_N1: J27.4(TD2-) U31.F12(TD_P0_ N1)
TD_P0_N2: J27.8(RD1-) U31.E11(TD_P0_N2)
TD_P0_N3: J27.10(RD2-) U31.D12(TD_P0_N3)
TD_P0_P0: J27.1(TD1+) U31.G12(TD_P0_P0)
TD_P0_P1: J27.3(TD2+) U31.F11(TD_P0_P1)
TD_P0_P2: J27.7(RD1+) U31.E12(TD_P0_P2)
TD_P0_P3: J27.9(RD2+) U31.D11(TD_P0_P3)
TD_P1_N0: J28.2(TD1-) U31.A10(TD_P1_N0)
TD_P1_N1: J28.4(TD2-) U31.A11(TD_P1_ N1)
TD_P1_N2: J28.8(RD1-) U31.B12(TD_P1_N2)
TD_P1_N3: J28.10(RD2-) U31.C11(TD_P1_N3)
TD_P1_P0: J28.1(TD1+) U31.A9(TD_P1_P0)
TD_P1_P1: J28.3(TD2+) U31.A12(TD_P1_P1)
TD_P1_P2: J28.7(RD1+) U31.B11(TD_P1_P2)
TD_P1_P3: J28.9(RD2+) U31.C12(TD_P1_P3)
TEMP_SENSOR_REXT: R75.1 U7.AE4(TEMPSENSOR_REXT)
TEST_MODE: R35.2 U7.P6(TEST_MODE)
TOUCH_CE: J13.92 J38.2(E2)
TOUCH_GPIO: J13.90 J37.2(E2)
TOUCH_INT_B: J13.119 J39.2(E2)
TOUCH_RESET_B: J13.64 J36.2(E2)
TOUCH_X1: J14.34(X+) R590.1
TOUCH_X1_C: C420.2 R590.2 U23.2(X+)
TOUCH_X2: J14.35(X-) R592.1
TOUCH_X2_C: C422.2 R592.2 U23.4(X-)
TOUCH_Y1: J14.36(Y+) R591.1
TOUCH_Y1_C: C421.2 R591.2 U23.3(Y+)
TOUCH_Y2: J14.37(Y-) R593.1
TOUCH_Y2_C: C423.2 R593.2 U23.5(Y-)
TP_BUSY: R430.2 U23.13(BUSY)
TP_ESPI3_SS2_B: U7.D3(S\D\2\_\C\D\) U39.2(A)
TP_ESPI_SS_B: JP1.2 R359.2 R360.2 U39.4(OUT)
TP_INT_B: J41.2(E2) U23.11(P\E\N\I\R\Q\)
TP_SPI_SS_B: JP1.1 R359.1 U23.15(C\S\)
TX_LED1: D9.2(CATHODE) U18.11(ACBUS3)
TX_LED2: D11.2(CATHODE) U18.27(BCBUS3)
TXD_EN_P0: R532.2 U31.K4(TX_EN_P0)
TXD_P0_0: R528.2 U31.M2(TXD_P0_0)
TXD_P0_1: R526.2 U31.M3(TXD_P0_1)
